# KiCad board cda-pcb.kicad_pcb
title: DAQ+F3C; date: 2026-03-19; rev: Capstone-1; company: Society for Advanced Rocket Propulsion
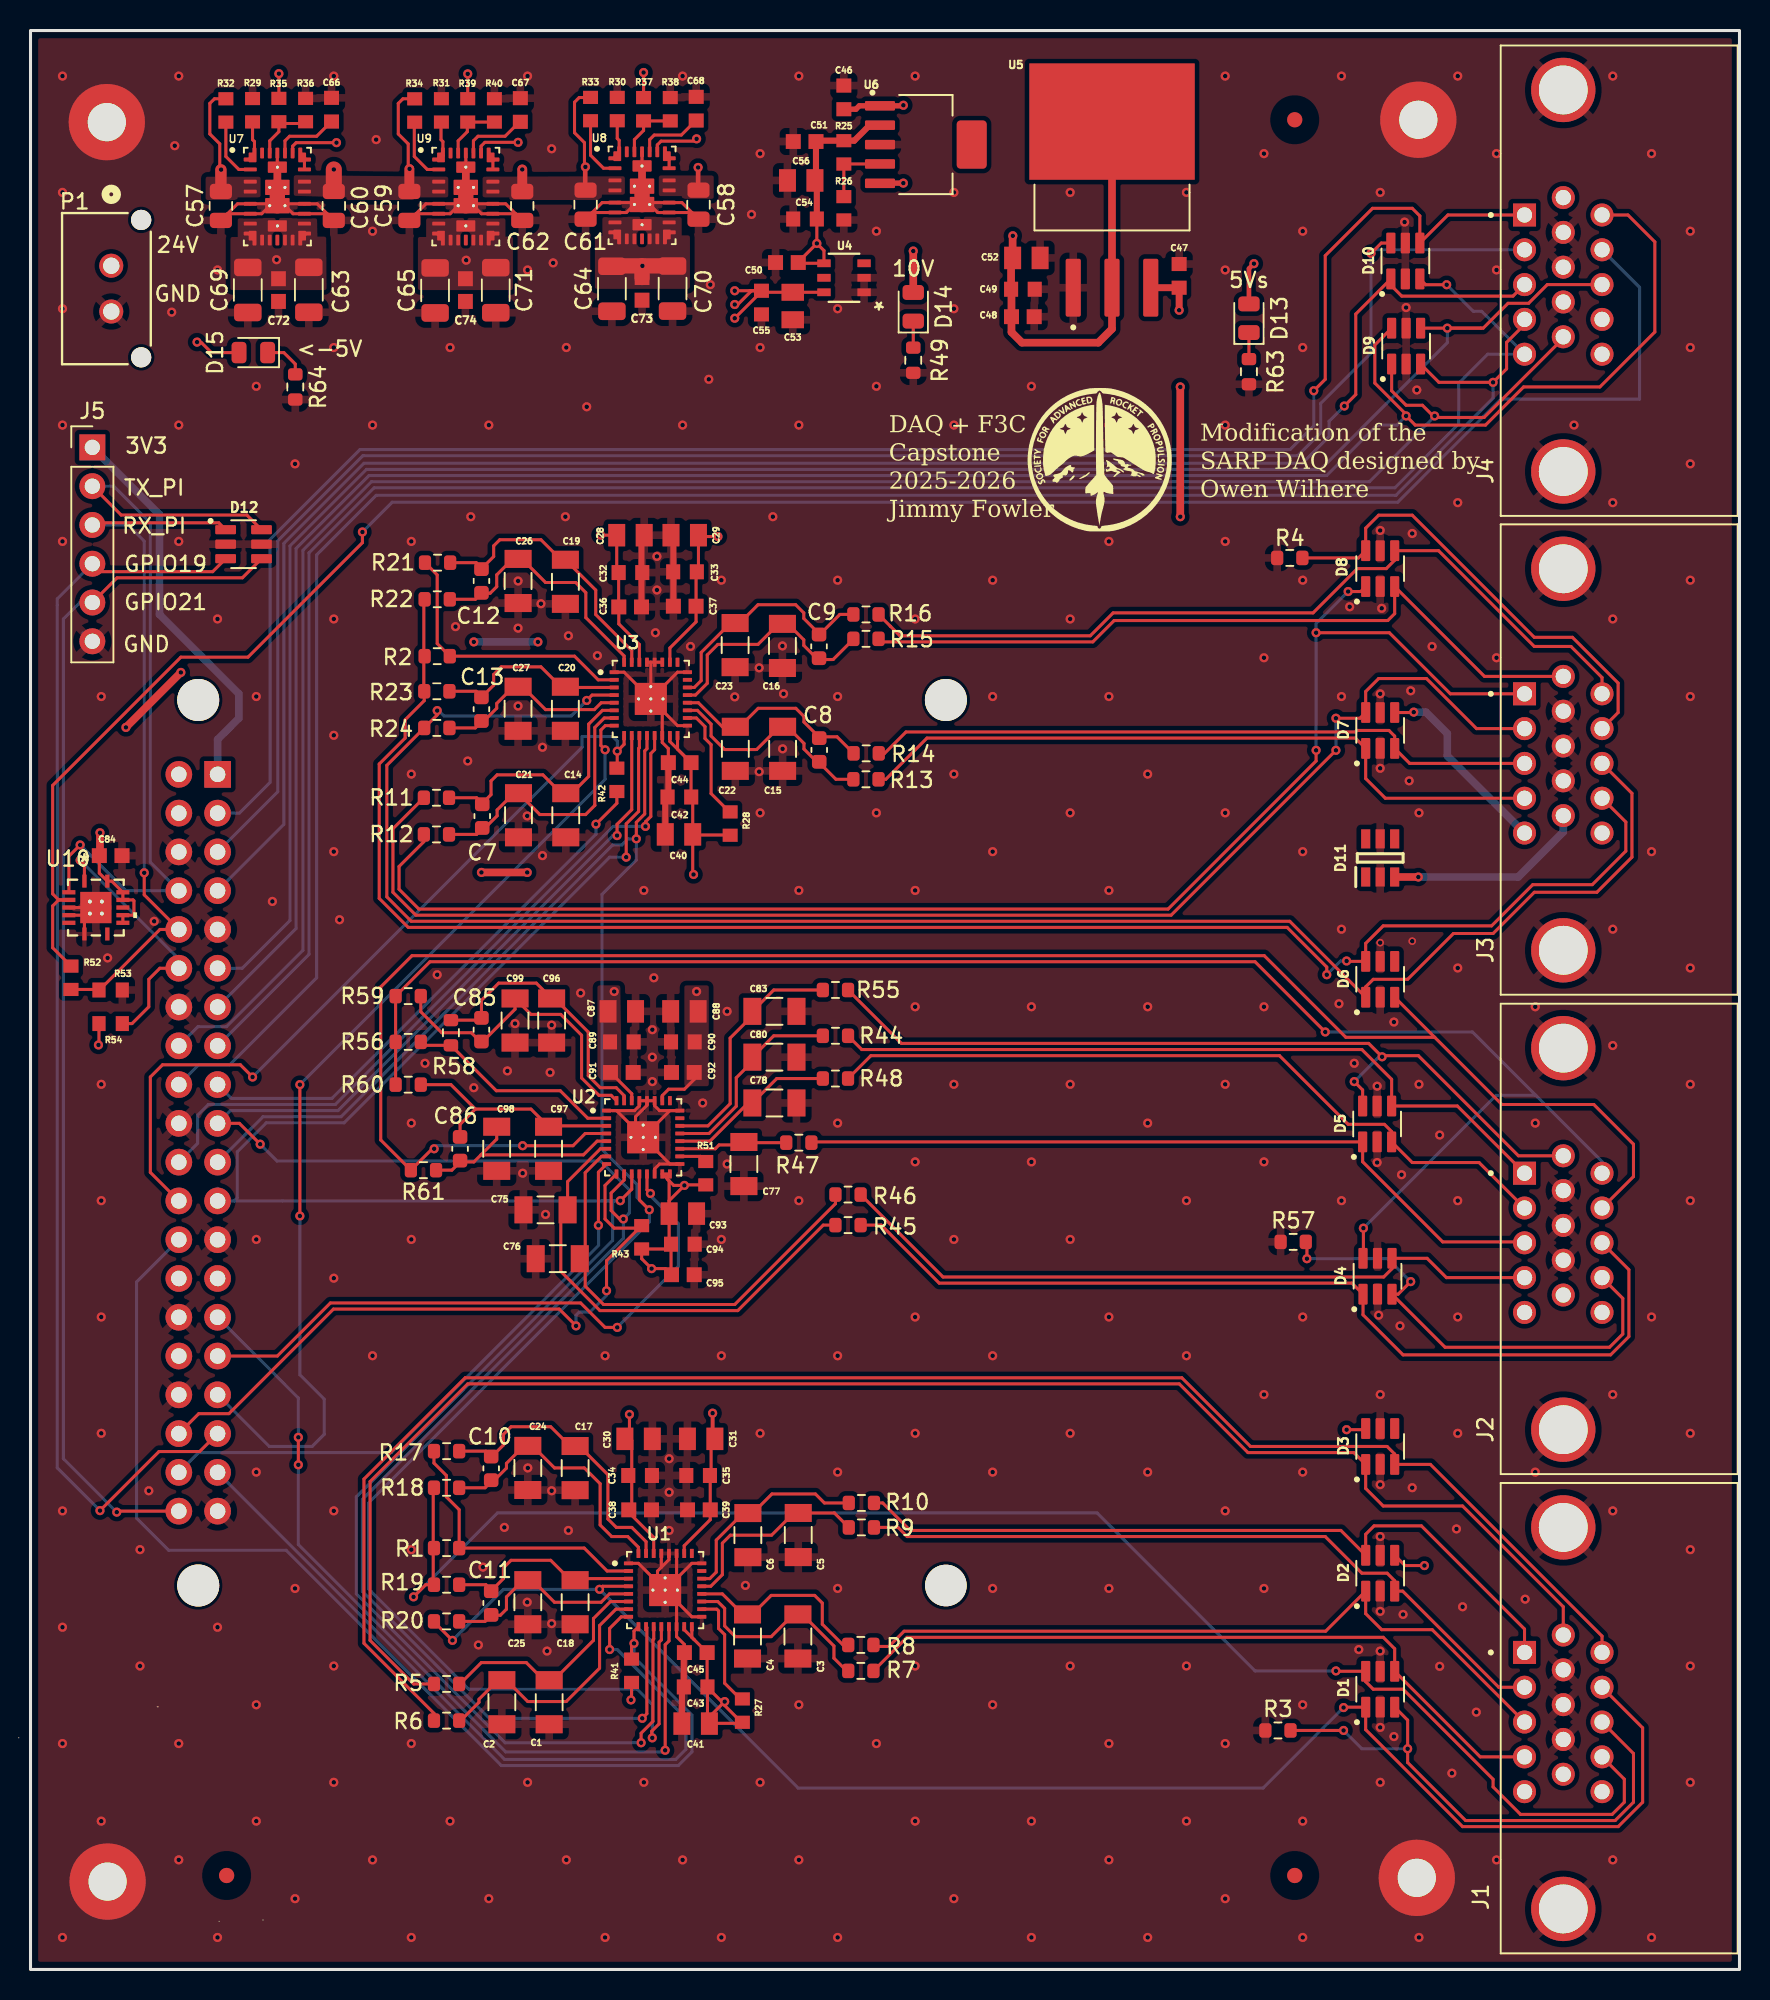
[diagram p0: board, top side]
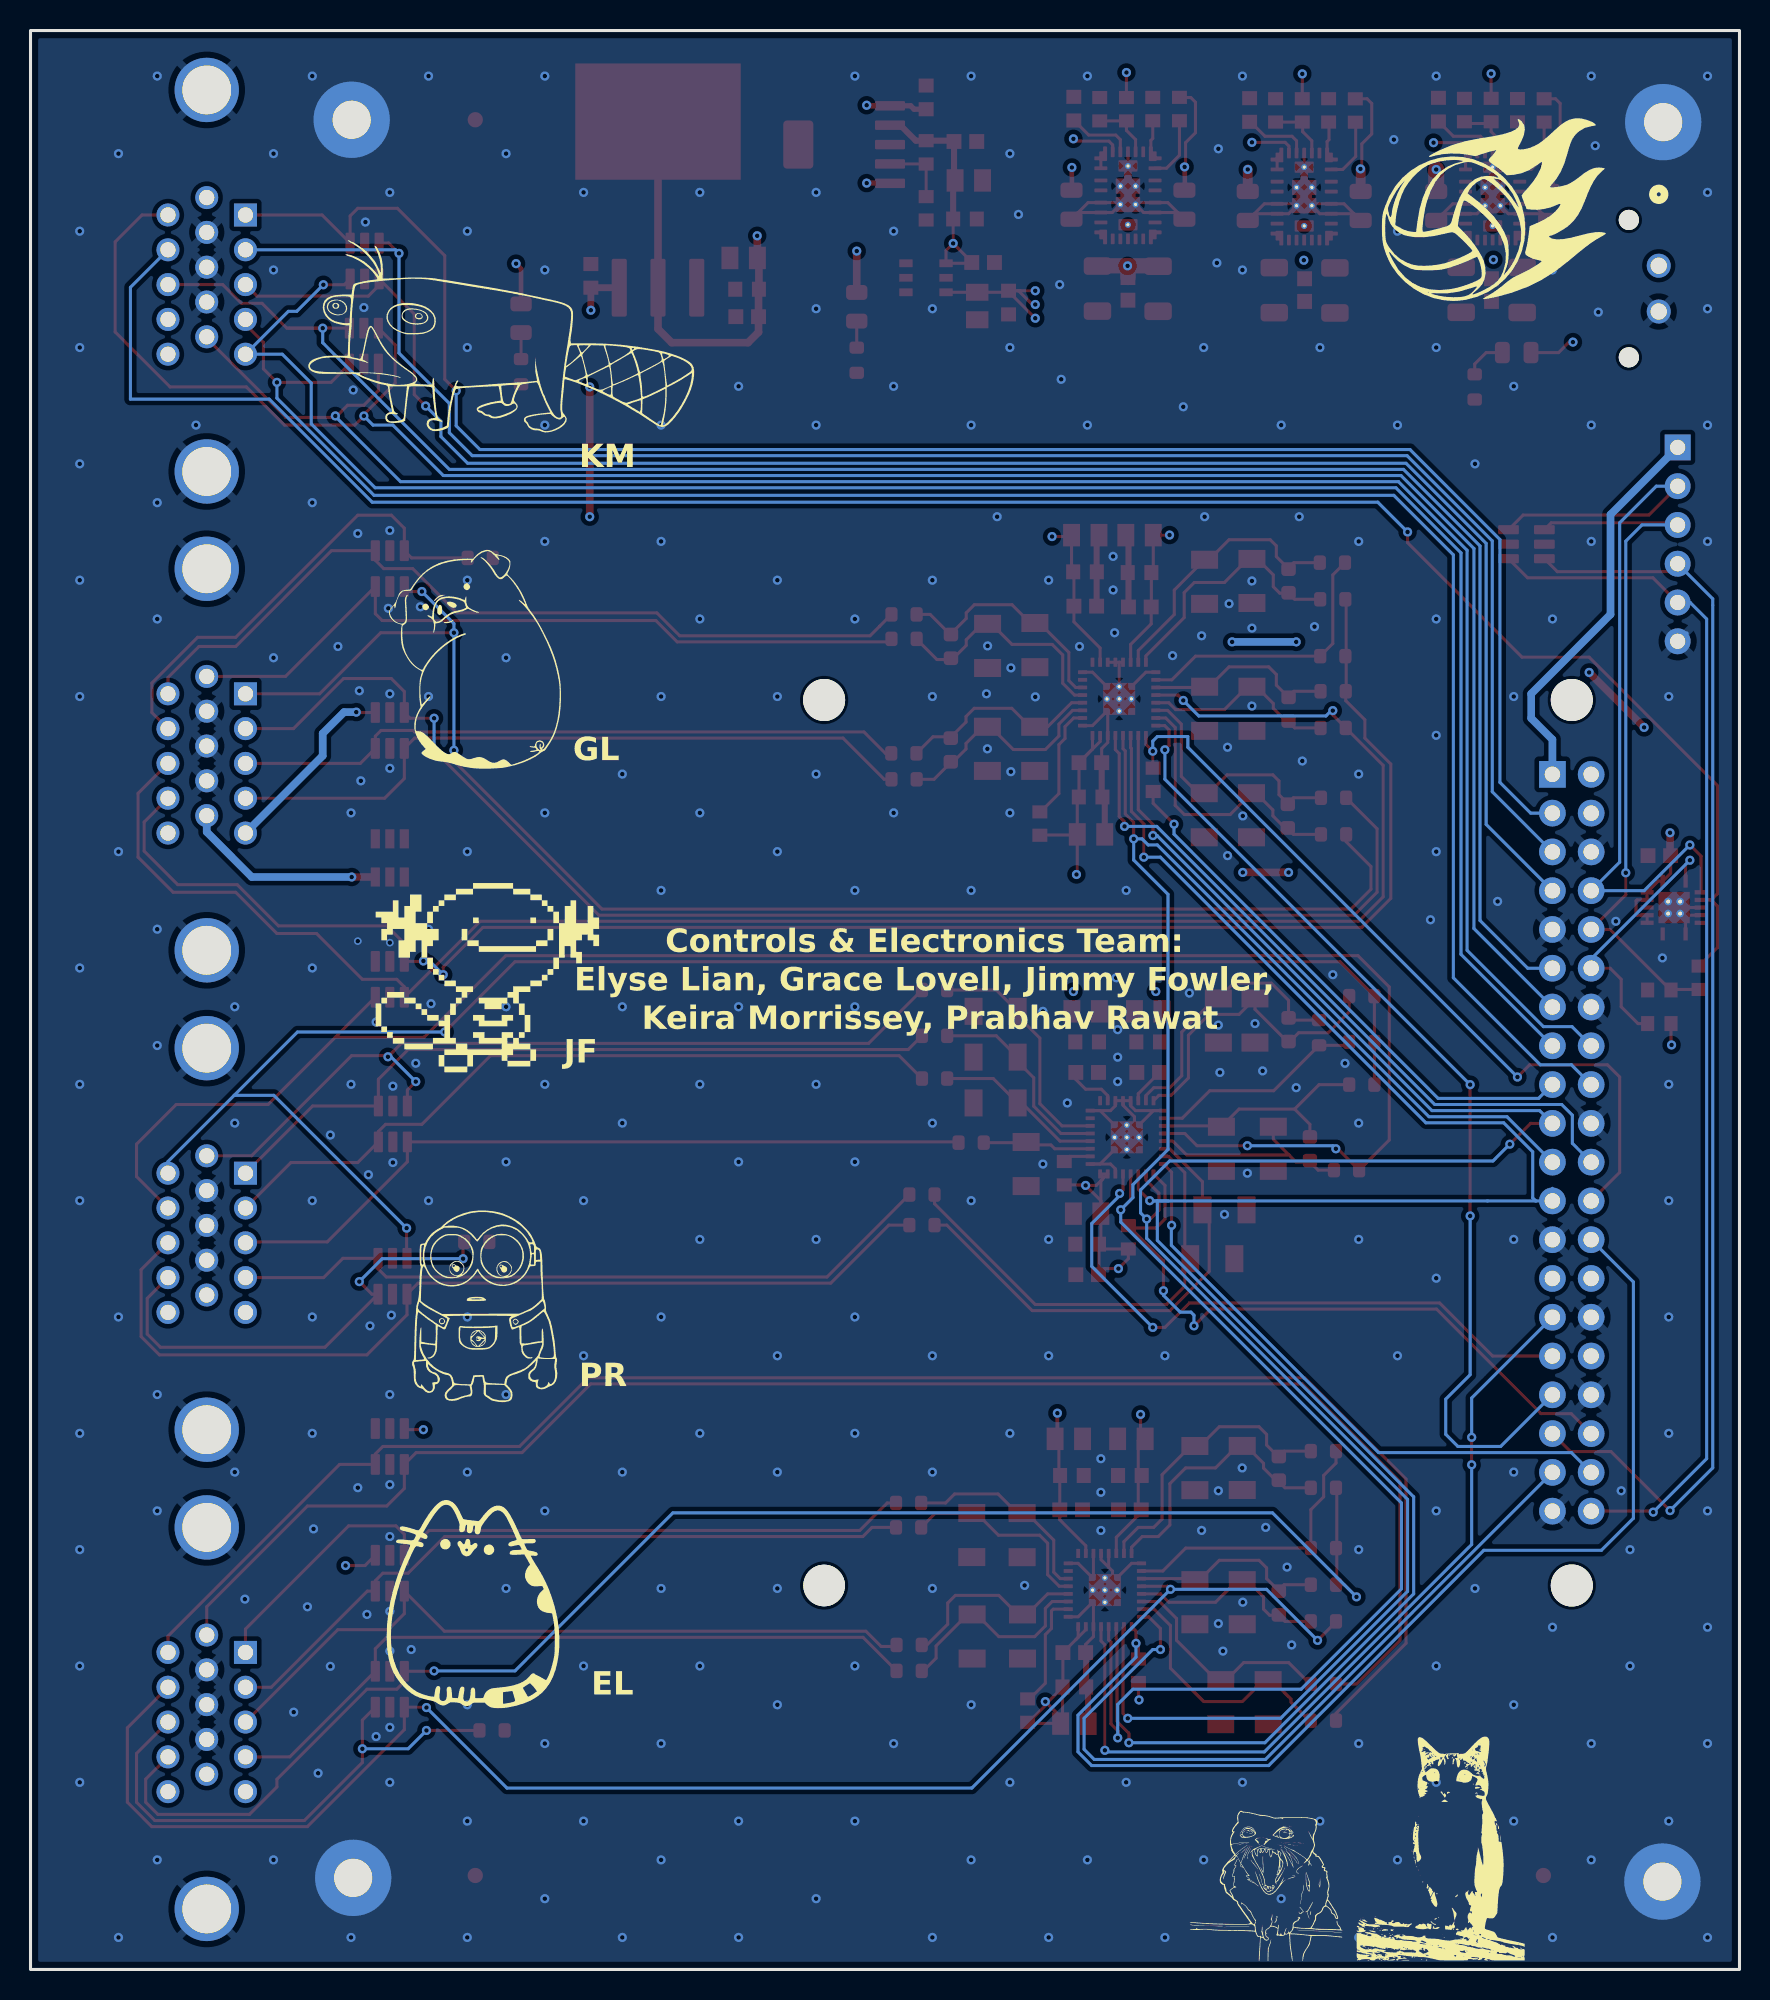
[diagram p1: board, bottom side, seen from below]

Outline 112 x 127 mm; copper layers: Top, In1.Cu, In2.Cu, Bottom. Coordinates in mm from the lower left corner of the outline.
Outline path: rectangle 0,127 112,0
Stack: Top 0.035mm / dielectric 0.1mm FR4 er 4.5 / In1.Cu 0.017mm / dielectric 1.276mm FR4 er 4.5 / In2.Cu 0.017mm / dielectric 0.1mm FR4 er 4.5 / Bottom 0.035mm

## Placement (name value [footprint] x y rotation side)
C1  16nF  [CAPC3216X95N]  33.99 17.5 270 top
C2  16nF  [CAPC3216X95N]  30.89 17.5 270 top
C3  16nF  [CAPC3216X95N]  50.29 21.81 270 top
C4  16nF  [CAPC3216X95N]  46.99 21.81 270 top
C5  16nF  [CAPC3216X95N]  50.31 28.45 270 top
C6  16nF  [CAPC3216X95N]  47.01 28.45 270 top
C7  3.3nF  [C_0603_1608Metric]  29.6 75.55 270 top
C8  3.3nF  [C_0603_1608Metric]  51.69 79.88 90 top
C9  3.3nF  [C_0603_1608Metric]  51.68 86.66 90 top
C10  3.3nF  [C_0603_1608Metric]  30.19 32.82 270 top
C11  3.3nF  [C_0603_1608Metric]  30.19 24 270 top
C12  3.3nF  [C_0603_1608Metric]  29.55 90.95 270 top
C13  3.3nF  [C_0603_1608Metric]  29.55 82.55 270 top
C14  16nF  [CAPC3216X95N]  35.08 75.6 270 top
C15  16nF  [CAPC3216X95N]  49.29 79.95 270 top
C16  16nF  [CAPC3216X95N]  49.28 86.69 270 top
C17  16nF  [CAPC3216X95N]  35.69 32.84 270 top
C18  16nF  [CAPC3216X95N]  35.69 24.05 270 top
C19  16nF  [CAPC3216X95N]  35.05 90.89 270 top
C20  16nF  [CAPC3216X95N]  35.05 82.58 270 top
C21  16nF  [CAPC3216X95N]  31.98 75.6 270 top
C22  16nF  [CAPC3216X95N]  46.19 79.95 270 top
C23  16nF  [CAPC3216X95N]  46.18 86.75 270 top
C24  16nF  [CAPC3216X95N]  32.59 32.85 270 top
C25  16nF  [CAPC3216X95N]  32.59 24.05 270 top
C26  16nF  [CAPC3216X95N]  31.95 90.95 270 top
C27  16nF  [CAPC3216X95N]  31.95 82.58 270 top
C28  10uF  [CAPC2012X145N]  39.32 93.95 180 top
C29  10uF  [CAPC2012X145N]  42.87 93.95 180 top
C30  10uF  [CAPC2012X145N]  39.85 34.76 180 top
C31  10uF  [CAPC2012X145N]  43.95 34.76 180 top
C32  1uF  [CAPC1608X94N]  39.32 91.5 180 top
C33  1uF  [CAPC1608X94N]  42.89 91.55 180 top
C34  1uF  [CAPC1608X94N]  39.95 32.36 180 top
C35  1uF  [CAPC1608X94N]  43.75 32.36 180 top
C36  100nF  [CAPC1608X97N]  39.3 89.25 180 top
C37  100nF  [CAPC1608X97N]  42.87 89.3 180 top
C38  100nF  [CAPC1608X97N]  39.95 30.1 180 top
C39  100nF  [CAPC1608X97N]  43.8 30.1 180 top
C40  10uF  [CAPC2012X145N]  42.5 74.35 180 top
C41  10uF  [CAPC2012X145N]  43.59 16.1 180 top
C42  1uF  [CAPC1608X94N]  42.52 76.8 180 top
C43  1uF  [CAPC1608X94N]  43.59 18.5 180 top
C44  100nF  [CAPC1608X97N]  42.54 79.05 180 top
C45  100nF  [CAPC1608X97N]  43.6 20.75 180 top
C46  1uF  [CAPC1608X94N]  53.3 122.62 90 top
C47  1uF  [CAPC1608X94N]  75.28 110.93 90 top
C48  100nF  [CAPC1608X97N]  65.03 108.26 0 top
C49  1uF  [CAPC1608X94N]  65.04 110.06 0 top
C50  100nF  [CAPC1608X97N]  49.57 111.81 180 top
C51  100nF  [CAPC1608X97N]  50.73 119.73 180 top
C52  10uF  [CAPC2012X145N]  65.26 112.11 0 top
C53  10uF  [CAPC2012X145N]  49.95 108.96 270 top
C54  1uF  [CAPC1608X94N]  50.76 114.66 180 top
C55  1uF  [CAPC1608X94N]  47.9 109.18 270 top
C56  10uF  [CAPC2012X145N]  50.51 117.18 180 top
C57  4.7uF  [C_0805_2012Metric]  12.48 115.51 90 top
C58  4.7uF  [C_0805_2012Metric]  43.78 115.59 90 top
C59  4.7uF  [C_0805_2012Metric]  24.83 115.51 90 top
C60  4.7uF  [C_0805_2012Metric]  19.88 115.51 90 top
C61  4.7uF  [C_0805_2012Metric]  36.38 115.59 90 top
C62  4.7uF  [C_0805_2012Metric]  32.23 115.51 90 top
C63  47uF  [C_1206_3216Metric]  18.24 110.02 90 top
C64  22uF  [C_1206_3216Metric]  38.1 110.09 90 top
C65  47uF  [C_1206_3216Metric]  26.51 109.98 90 top
C66  1uF  [CAPC1608X94N]  19.73 121.82 90 top
C67  1uF  [CAPC1608X94N]  32.1 121.8 90 top
C68  1uF  [CAPC1608X94N]  43.63 121.88 90 top
C69  47uF  [C_1206_3216Metric]  14.24 110.01 90 top
C70  22uF  [C_1206_3216Metric]  42.08 110.1 90 top
C71  47uF  [C_1206_3216Metric]  30.49 109.99 90 top
C72  100nF  [CAPC1608X97N]  16.25 110 270 top
C73  100nF  [CAPC1608X97N]  40.08 110.08 270 top
C74  100nF  [CAPC1608X97N]  28.5 110 270 top
C75  16nF  [CAPC3216X95N]  33.75 49.76 180 top
C76  16nF  [CAPC3216X95N]  34.55 46.56 180 top
C77  16nF  [CAPC3216X95N]  46.75 52.76 270 top
C78  16nF  [CAPC3216X95N]  48.75 56.76 0 top
C80  16nF  [CAPC3216X95N]  48.75 59.76 0 top
C83  16nF  [CAPC3216X95N]  48.75 62.76 0 top
C84  100nF  [CAPC1608X97N]  5.25 72.96 0 top
C85  3.3nF  [C_0603_1608Metric]  29.55 61.56 270 top
C86  3.3nF  [C_0603_1608Metric]  28.15 53.76 270 top
C87  10uF  [CAPC2012X145N]  38.75 62.76 180 top
C88  10uF  [CAPC2012X145N]  42.85 62.76 180 top
C89  1uF  [CAPC1608X94N]  38.75 60.76 180 top
C90  1uF  [CAPC1608X94N]  42.75 60.76 180 top
C91  100nF  [CAPC1608X97N]  38.75 58.76 180 top
C92  100nF  [CAPC1608X97N]  42.75 58.76 180 top
C93  10uF  [CAPC2012X145N]  42.75 49.51 0 top
C94  1uF  [CAPC1608X94N]  42.75 47.51 0 top
C95  100nF  [CAPC1608X97N]  42.75 45.51 0 top
C96  16nF  [CAPC3216X95N]  34.15 62.16 270 top
C97  16nF  [CAPC3216X95N]  33.95 53.76 270 top
C98  16nF  [CAPC3216X95N]  30.55 53.76 270 top
C99  16nF  [CAPC3216X95N]  31.75 62.16 270 top
D1  ESDA6V1BC6  [SOT95P280X145-6N]  88.45 18.36 90 top
D2  ESDA6V1BC6  [SOT95P280X145-6N]  88.45 25.96 90 top
D3  ESDA6V1BC6  [SOT95P280X145-6N]  88.45 34.26 90 top
D4  ESDA6V1BC6  [SOT95P280X145-6N]  88.28 45.41 90 top
D5  ESDA6V1BC6  [SOT95P280X145-6N]  88.25 55.38 90 top
D6  ESDA6V1BC6  [SOT95P280X145-6N]  88.45 64.86 90 top
D7  ESDA6V1BC6  [SOT95P280X145-6N]  88.45 81.16 90 top
D8  ESDA6V1BC6  [SOT95P280X145-6N]  88.45 91.76 90 top
D9  ESDA6V1BC6  [SOT95P280X145-6N]  90.15 106.33 90 top
D10  ESDA6V1BC6  [SOT95P280X145-6N]  90.1 111.91 90 top
D11  SMS12T1G  [SOT95P275X110-6N]  88.45 72.81 90 top
D12  ESDA6V1BC6  [SOT95P280X145-6N]  13.96 93.36 0 top
D13  LED  [LED_0805_2012Metric]  79.85 108.16 90 top
D14  LED  [LED_0805_2012Metric]  57.85 108.91 90 top
D15  LED  [LED_0805_2012Metric]  14.6 105.91 180 top
G***  LOGO  [SARPLOGO2]  70.75 99 0 top
G***#2  -  [LOGO]  5.5 11.45 0 top
G***#3  -  [LOGO]  81.69 106.82 180 bottom
G***#4  -  [LOGO]  83.07 23.73 180 bottom
G***#5  -  [LOGO]  82.99 85.75 180 bottom
G***#6  -  [LOGO]  16.39 115.05 180 bottom
G***#7  -  [LOGO]  31.03 5.54 180 bottom
G***#8  -  [LOGO]  82.06 64.96 180 bottom
G***#9  -  [LOGO]  82.25 43.76 180 bottom
G***#10  -  [LOGO]  19.58 8.09 180 bottom
H1  MountingHole_Pad  [MountingHole_2.5mm_Pad]  90.95 121.16 0 top
H2  MountingHole_Pad  [MountingHole_2.5mm_Pad]  5 121 0 top
H3  MountingHole_Pad  [MountingHole_2.5mm_Pad]  90.85 6 0 top
H4  MountingHole_Pad  [MountingHole_2.5mm_Pad]  5.05 5.76 0 top
J1  ICD15S13E4GX00LF  [AMPHENOL_ICD15S13E4GX00LF]  100.45 16.46 90 top
J2  ICD15S13E4GX00LF  [AMPHENOL_ICD15S13E4GX00LF]  100.45 47.85 90 top
J3  ICD15S13E4GX00LF  [AMPHENOL_ICD15S13E4GX00LF]  100.45 79.25 90 top
J4  ICD15S13E4GX00LF  [AMPHENOL_ICD15S13E4GX00LF]  100.45 110.61 90 top
J5  Conn_01x06  [PinHeader_1x06_P2.54mm_Vertical]  4.05 99.7 0 top
P1  436500227  [CONN_SD-43650-010_02_MOL]  5.29 111.6 90 top
R1  5.6k  [R_0603_1608Metric]  27.27 27.6 180 top
R2  5.6k  [R_0603_1608Metric]  26.65 86.02 180 top
R3  1.8k  [R_0603_1608Metric]  81.75 15.66 180 top
R4  1.8K  [R_0603_1608Metric]  82.53 92.46 180 top
R5  10k  [R_0603_1608Metric]  27.27 18.7 0 top
R6  10k  [R_0603_1608Metric]  27.27 16.3 0 top
R7  10k  [R_0603_1608Metric]  54.42 19.56 180 top
R8  10k  [R_0603_1608Metric]  54.42 21.26 180 top
R9  10k  [R_0603_1608Metric]  54.45 28.96 180 top
R10  10k  [R_0603_1608Metric]  54.45 30.56 180 top
R11  10k  [R_0603_1608Metric]  26.6 76.75 0 top
R12  10k  [R_0603_1608Metric]  26.6 74.35 0 top
R13  10k  [R_0603_1608Metric]  54.75 77.96 180 top
R14  10k  [R_0603_1608Metric]  54.77 79.66 180 top
R15  10k  [R_0603_1608Metric]  54.75 87.16 180 top
R16  10k  [R_0603_1608Metric]  54.75 88.76 180 top
R17  10k  [R_0603_1608Metric]  27.27 33.95 180 top
R18  10k  [R_0603_1608Metric]  27.27 31.55 180 top
R19  10k  [R_0603_1608Metric]  27.27 25.2 180 top
R20  10k  [R_0603_1608Metric]  27.27 22.8 180 top
R21  10k  [R_0603_1608Metric]  26.68 92.15 180 top
R22  10k  [R_0603_1608Metric]  26.65 89.75 180 top
R23  10k  [R_0603_1608Metric]  26.63 83.72 180 top
R24  10k  [R_0603_1608Metric]  26.63 81.32 180 top
R25  13k  [RESC1508X50N]  53.3 119.02 90 top
R26  1.8k  [RESC1508X50N]  53.3 115.36 90 top
R27  20K  [RESC1508X50N]  46.65 16.96 270 top
R28  20K  [RESC1508X50N]  45.85 75.06 270 top
R29  13k  [RESC1508X50N]  14.55 121.78 270 top
R30  8k  [RESC1508X50N]  38.45 121.86 270 top
R31  13k  [RESC1508X50N]  26.93 121.77 270 top
R32  100k  [RESC1508X50N]  12.8 121.77 90 top
R33  100k  [RESC1508X50N]  36.7 121.86 90 top
R34  100k  [RESC1508X50N]  25.18 121.76 90 top
R35  40.2k  [RESC1508X50N]  16.28 121.79 90 top
R36  10k  [RESC1508X50N]  18.03 121.79 270 top
R37  100k  [RESC1508X50N]  40.18 121.85 90 top
R38  10k  [RESC1508X50N]  41.93 121.85 270 top
R39  50k  [RESC1508X50N]  28.65 121.77 90 top
R40  10k  [RESC1508X50N]  30.4 121.77 270 top
R41  20K  [RESC1508X50N]  39.39 19.57 270 top
R42  20K  [RESC1508X50N]  38.43 77.92 270 top
R43  20K  [RESC1508X50N]  40.05 47.96 270 top
R44  10k  [R_0603_1608Metric]  52.75 61.16 180 top
R45  10k  [R_0603_1608Metric]  53.58 48.76 180 top
R46  10k  [R_0603_1608Metric]  53.58 50.76 180 top
R47  10k  [R_0603_1608Metric]  50.35 54.16 180 top
R48  10k  [R_0603_1608Metric]  52.75 58.36 180 top
R49  5.6k  [R_0603_1608Metric]  57.85 105.41 270 top
R51  20K  [RESC1508X50N]  44.25 52.16 270 top
R52  10K  [RESC1508X50N]  2.65 64.96 90 top
R53  20K  [RESC1508X50N]  5.25 64.16 0 top
R54  20K  [RESC1508X50N]  5.25 61.96 180 top
R55  10k  [R_0603_1608Metric]  52.75 64.16 180 top
R56  5.6k  [R_0603_1608Metric]  24.75 60.76 180 top
R57  1.8k  [R_0603_1608Metric]  82.75 47.66 180 top
R58  10k  [R_0603_1608Metric]  27.55 61.36 270 top
R59  10k  [R_0603_1608Metric]  24.75 63.76 180 top
R60  10k  [R_0603_1608Metric]  24.75 57.96 180 top
R61  10k  [R_0603_1608Metric]  25.75 52.36 180 top
R63  1.8k  [R_0603_1608Metric]  79.85 104.66 270 top
R64  1.8k  [R_0603_1608Metric]  17.35 103.66 270 top
REF**  -  [Fiducial_1mm_Mask3mm]  82.85 6.16 0 top
REF**#2  -  [Fiducial_1mm_Mask3mm]  12.85 6.16 0 top
REF**#3  -  [Fiducial_1mm_Mask3mm]  82.85 121.16 0 top
RP1  Raspberry_Pi_4  [raspberrypi_2_3]  10.99 54.15 270 bottom
U1  ADS124S08IRHBT  [QFN50P500X500X100-33N]  41.59 24.85 0 top
U2  ADS124S08IRHBT  [QFN50P500X500X100-33N]  40.15 54.51 0 top
U3  ADS124S08IRHBT  [QFN50P500X500X100-33N]  40.65 83.22 0 top
U4  LT6654BMPS6-5-TRMPBF  [TSOT-23_S6_LIT]  53.31 110.81 180 top
U5  LM1086IS-5.0_NOPB  [TO254P1524X483-4N]  70.88 116.56 90 top
U6  TPS73801DCQR  [SOT127P706X180-6N]  58.68 119.53 0 top
U7  TPSM63603RDHR  [CONV_TPSM63602RDHR]  16.18 116.13 0 top
U8  TPSM63603RDHR  [CONV_TPSM63602RDHR]  40.08 116.21 0 top
U9  TPSM63603RDHR  [CONV_TPSM63602RDHR]  28.53 116.13 0 top
U10  SN74AHCT125RGYR  [RGY14_2P05X2P05]  4.28 69.56 0 top

## Library data of the parts
C1-C78 C80 C83-C99 = -: Description: Unpolarized capacitor; ki_fp_filters: C_*
D1-D10 D12 = -: PARTREV: 2; MANUFACTURER: STMicroelectronics; MAXIMUM_PACKAGE_HEIGHT: 1.45 mm; STANDARD: IPC 7351B
D11 = -: Datasheet: https://www.onsemi.com/pub/Collateral/SMS05T1-D.PDF; Description: Pb-Free Packages are Available; SC-74 Package Allows Four Separate Unidirectional Configurations; Peak Power  350 Watts, 8 x 20 S; ESD Rating of Class N (Exceeding 25 kV) per the Human Body Model; ESD Rating: IEC 6100042 (ESD) 15 kV (air) 8 kV (contact) IEC 6100044 (EFT) 40 Amps (5/50 ns) IEC 6100045 (lighting) 23 Amps (8/20  s); UL Flammability Rating of 94V0; Height: 1.1; Manufacturer_Name: onsemi; Mouser Part Number: 863-SMS12T1G; Mouser Price/Stock: https://www.mouser.com/Search/Refine.aspx?Keyword=863-SMS12T1G; Arrow Price/Stock: https://www.arrow.com/en/products/sms12t1g/on-semiconductor?utm_currency=USD&region=europe
D13-D15 = -: Description: Light emitting diode; Sim.Pins: 1=K 2=A; ki_fp_filters: LED* LED_SMD:* LED_THT:*
H1-H4 = -: Description: Mounting Hole with connection; ki_fp_filters: MountingHole*Pad*
J1-J4 = -: PARTREV: G; STANDARD: Manufacturer Recommendations; MAXIMUM_PACKAGE_HEIGHT: 12.96mm; MANUFACTURER: Amphenol
J5 = -: Description: Generic connector, single row, 01x06, script generated (kicad-library-utils/schlib/autogen/connector/); ki_fp_filters: Connector*:*_1x??_*
P1 = -: MF: Molex; Description_1: Connector Header Through Hole 2 position 0.100 (2.54mm); Package: None; Price: None; Check_prices: https://www.snapeda.com/parts/0022272021/Molex/view-part/?ref=eda; SnapEDA_Link: https://www.snapeda.com/parts/0022272021/Molex/view-part/?ref=snap; MP: 0022272021; Availability: In Stock; MANUFACTURER: Molex
R1-R49 R51-R61 R63 R64 = -: Description: Resistor; ki_fp_filters: R_*
RP1 = -: Datasheet: https://pip-assets.raspberrypi.com/categories/545-raspberry-pi-4-model-b/documents/RP-008341-DS-1-raspberry-pi-4-datasheet.pdf?disposition=inline; Description: Raspberry Pi 4 Model B; Description_1: Raspberry Pi Zero 2 or 3 Single-board Computers; Manufacturer_Name: RASPBERRY-PI; Manufacturer_Part_Number: Raspberry Pi 2 or 3
U1-U3 = -: ki_fp_filters: RHB0032M
U4 = -: ki_fp_filters: TSOT-23_S6_LIT TSOT-23_S6_LIT-M TSOT-23_S6_LIT-L
U5 = -: Code  JEDEC: MO-169-AA; Comp Type: LDO IC; Component Link 1 Description: Datasheet URL; Component Link 1 URL: http://www.ti.com/general/docs/lit/getliterature.tsp?genericPartNumber=LM1086&fileType=pdf; High  Reliability: Y; Package Description: TO-263, Molded, .400 x .390 x .180in, 3 Lead, .1in Pitch, Surface Mount; Package Top Marking: NSUZXYTTE#*LM1086*IS-5.0; Pin Count: 3; Power Wise: N; category: IC; ciiva ids: 1248281; library id: e83e231153a3fe00; manufacturer: Texas Instruments; package: KTT0003B; release date: 1509939978; rohs: Yes; vault revision: 02CC541B-FD21-4C7A-A260-C5B387DFA3EF; imported: yes
U6 = -: MF: Texas Instruments; Description_1: 1-A, 20-V, adjustable low-dropout voltage regulator with reverse current and voltage protection; Package: SOT-223-6 Texas Instruments; Price: None; SnapEDA_Link: https://www.snapeda.com/parts/TPS73801DCQR/Texas+Instruments/view-part/?ref=snap; Availability: In Stock; Check_prices: https://www.snapeda.com/parts/TPS73801DCQR/Texas+Instruments/view-part/?ref=eda
U7-U9 = -: MF: Texas Instruments; MAXIMUM_PACKAGE_HEIGHT: 1.9mm; Package: None; Price: None; Check_prices: https://www.snapeda.com/parts/TPSM63602RDHR/Texas+Instruments/view-part/?ref=eda; STANDARD: Manufacturer Recommendations; PARTREV: April 2022; SnapEDA_Link: https://www.snapeda.com/parts/TPSM63602RDHR/Texas+Instruments/view-part/?ref=snap; MP: TPSM63602RDHR; Description_1: 3V to 36V input, 1V to 16V output, 2A step-down module in 4-mm x 6-mm x 1.8-mm package; MANUFACTURER: Texas Instruments; Availability: In Stock; SNAPEDA_PN: TPSM63602RDHR
U10 = -: Datasheet: https://www.ti.com/lit/gpn/sn74ahct125; ki_fp_filters: RGY14_2P05X2P05

## Footprints (pads in the part's own frame, mm; a bottom-side part is the same pattern mirrored in y, then rotated)
AMPHENOL_ICD15S13E4GX00LF
  rect 1.508x1.508 hole 1: 1(4.305,2.54)
  round 1.508 hole 1: 2(2.025,2.54) 3(-0.255,2.54) 4(-2.535,2.54) 5(-4.815,2.54) 6(5.445,0) 7(3.165,0) 8(0.885,0) 9(-1.395,0) 10(-3.675,0) 11(4.305,-2.54) 12(2.025,-2.54) 13(-0.255,-2.54) 14(-2.535,-2.54) 15(-4.815,-2.54)
  round 4.216 hole 3.2: S1(-12.495,0) S2(12.495,0)
C_0603_1608Metric
  rrect 0.9x0.95 smd: 1(-0.775,0) 2(0.775,0)
C_0805_2012Metric
  rrect 1x1.45 smd: 1(-0.95,0) 2(0.95,0)
C_1206_3216Metric
  rrect 1.15x1.8 smd: 1(-1.475,0) 2(1.475,0)
CAPC1608X94N
  rect 0.92x0.98 smd: 1(-0.775,0) 2(0.775,0)
CAPC1608X97N
  rect 0.98x0.97 smd: 1(-0.744,0) 2(0.744,0)
CAPC2012X145N
  rect 1.11x1.47 smd: 1(-0.9,0) 2(0.9,0)
CAPC3216X95N
  rect 1.18x1.77 smd: 1(-1.445,0) 2(1.445,0)
CONN_SD-43650-010_02_MOL
  round 1.321 hole 1.321 unplated: (-6,-1.96) (3,-1.96)
  round 1.575 hole 1.067: 1(0,0) 2(-3,0)
CONV_TPSM63602RDHR
  custom 0.835x0.96 smd: 1(-1.775,2.425) 8(-1.775,-2.425) 14(1.775,-2.425) 21(1.775,2.425)
  rrect 0.85x0.25 smd: 2(-1.775,1.775) 3(-1.775,0.975) 4(-1.775,0.325) 5(-1.775,-0.475) 6(-1.775,-1.125) 7(-1.775,-1.775) 15(1.775,-1.775) 16(1.775,-1.125) 17(1.775,-0.475) 18(1.775,0.325) 19(1.775,0.975) 20(1.775,1.775)
  rrect 0.25x0.7 smd: 9(-1,-2.85) 10(-0.5,-2.85) 11(0,-2.85) 12(0.5,-2.85) 13(1,-2.85) 22(1,2.85) 23(0.5,2.85) 24(0,2.85) 25(-0.5,2.85) 26(-1,2.85)
  round 0.4 hole 0.2: 27(0,1.925) 28(-0.5,0.6) 28(0.5,0.6) 29(-0.5,-0.6) 29(0.5,-0.6) 30(0,-1.925)
  rrect 1.25x0.74 smd: 27(0,1.925) 30(0,-1.925)
  rrect 1.6x1 smd: 28(0,0.6) 29(0,-0.6)
Fiducial_1mm_Mask3mm
  round 1 smd: (0,0)
LED_0805_2012Metric
  rrect 0.975x1.4 smd: 1(-0.938,0) 2(0.938,0)
MountingHole_2.5mm_Pad
  round 5 hole 2.5: 1(0,0)
PinHeader_1x06_P2.54mm_Vertical
  rect 1.7x1.7 hole 1: 1(0,0)
  round 1.7 hole 1: 2(0,-2.54) 3(0,-5.08) 4(0,-7.62) 5(0,-10.16) 6(0,-12.7)
QFN50P500X500X100-33N
  rrect 0.6x0.25 smd: 1(-2.4,1.75) 2(-2.4,1.25) 3(-2.4,0.75) 4(-2.4,0.25) 5(-2.4,-0.25) 6(-2.4,-0.75) 7(-2.4,-1.25) 8(-2.4,-1.75) 17(2.4,-1.75) 18(2.4,-1.25) 19(2.4,-0.75) 20(2.4,-0.25) 21(2.4,0.25) 22(2.4,0.75) 23(2.4,1.25) 24(2.4,1.75)
  rrect 0.25x0.6 smd: 9(-1.75,-2.4) 10(-1.25,-2.4) 11(-0.75,-2.4) 12(-0.25,-2.4) 13(0.25,-2.4) 14(0.75,-2.4) 15(1.25,-2.4) 16(1.75,-2.4) 25(1.75,2.4) 26(1.25,2.4) 27(0.75,2.4) 28(0.25,2.4) 29(-0.25,2.4) 30(-0.75,2.4) 31(-1.25,2.4) 32(-1.75,2.4)
  round 0.4 hole 0.2: 33(-0.8,0) 33(0,0.8) 33(0,0) 33(0,-0.8) 33(0.8,0)
  rect 2.1x2.1 smd: 33(0,0)
R_0603_1608Metric
  rrect 0.8x0.95 smd: 1(-0.825,0) 2(0.825,0)
raspberrypi_2_3
  round 2.75 hole 2.75 unplated: (-29,-49) (-29,0) (29,0)
  round 2.722 hole 2.75 unplated: (29,-49)
  rect 1.75x1.75 hole 1.016: 1(-24.13,-1.27)
  round 1.75 hole 1.016: 2(-24.13,1.27) 3(-21.59,-1.27) 4(-21.59,1.27) 5(-19.05,-1.27) 6(-19.05,1.27) 7(-16.51,-1.27) 8(-16.51,1.27) 9(-13.97,-1.27) 10(-13.97,1.27) 11(-11.43,-1.27) 12(-11.43,1.27) 13(-8.89,-1.27) 14(-8.89,1.27) 15(-6.35,-1.27) 16(-6.35,1.27) 17(-3.81,-1.27) 18(-3.81,1.27) 19(-1.27,-1.27) 20(-1.27,1.27) 21(1.27,-1.27) 22(1.27,1.27) 23(3.81,-1.27) 24(3.81,1.27) 25(6.35,-1.27) 26(6.35,1.27) 27(8.89,-1.27) 28(8.89,1.27) 29(11.43,-1.27) 30(11.43,1.27) 31(13.97,-1.27) 32(13.97,1.27) 33(16.51,-1.27) 34(16.51,1.27) 35(19.05,-1.27) 36(19.05,1.27) 37(21.59,-1.27) 38(21.59,1.27) 39(24.13,-1.27) 40(24.13,1.27)
RESC1508X50N
  rect 0.86x0.98 smd: 1(-0.765,0) 2(0.765,0)
RGY14_2P05X2P05
  rect 0.28x0.85 smd: 1(-0.75,1.731) 7(-0.75,-1.731) 8(0.75,-1.731) 14(0.75,1.731)
  rect 0.85x0.28 smd: 2(-1.769,1) 3(-1.769,0.5) 4(-1.769,0) 5(-1.769,-0.5) 6(-1.769,-1) 9(1.769,-1) 10(1.769,-0.5) 11(1.769,0) 12(1.769,0.5) 13(1.769,1)
  round 0.508 hole 0.254: 15(-0.394,0.394) 15(-0.394,-0.394) 15(0.394,0.394) 15(0.394,-0.394)